# KiCad board AmigaPCI Mainboard.kicad_pcb (continued)
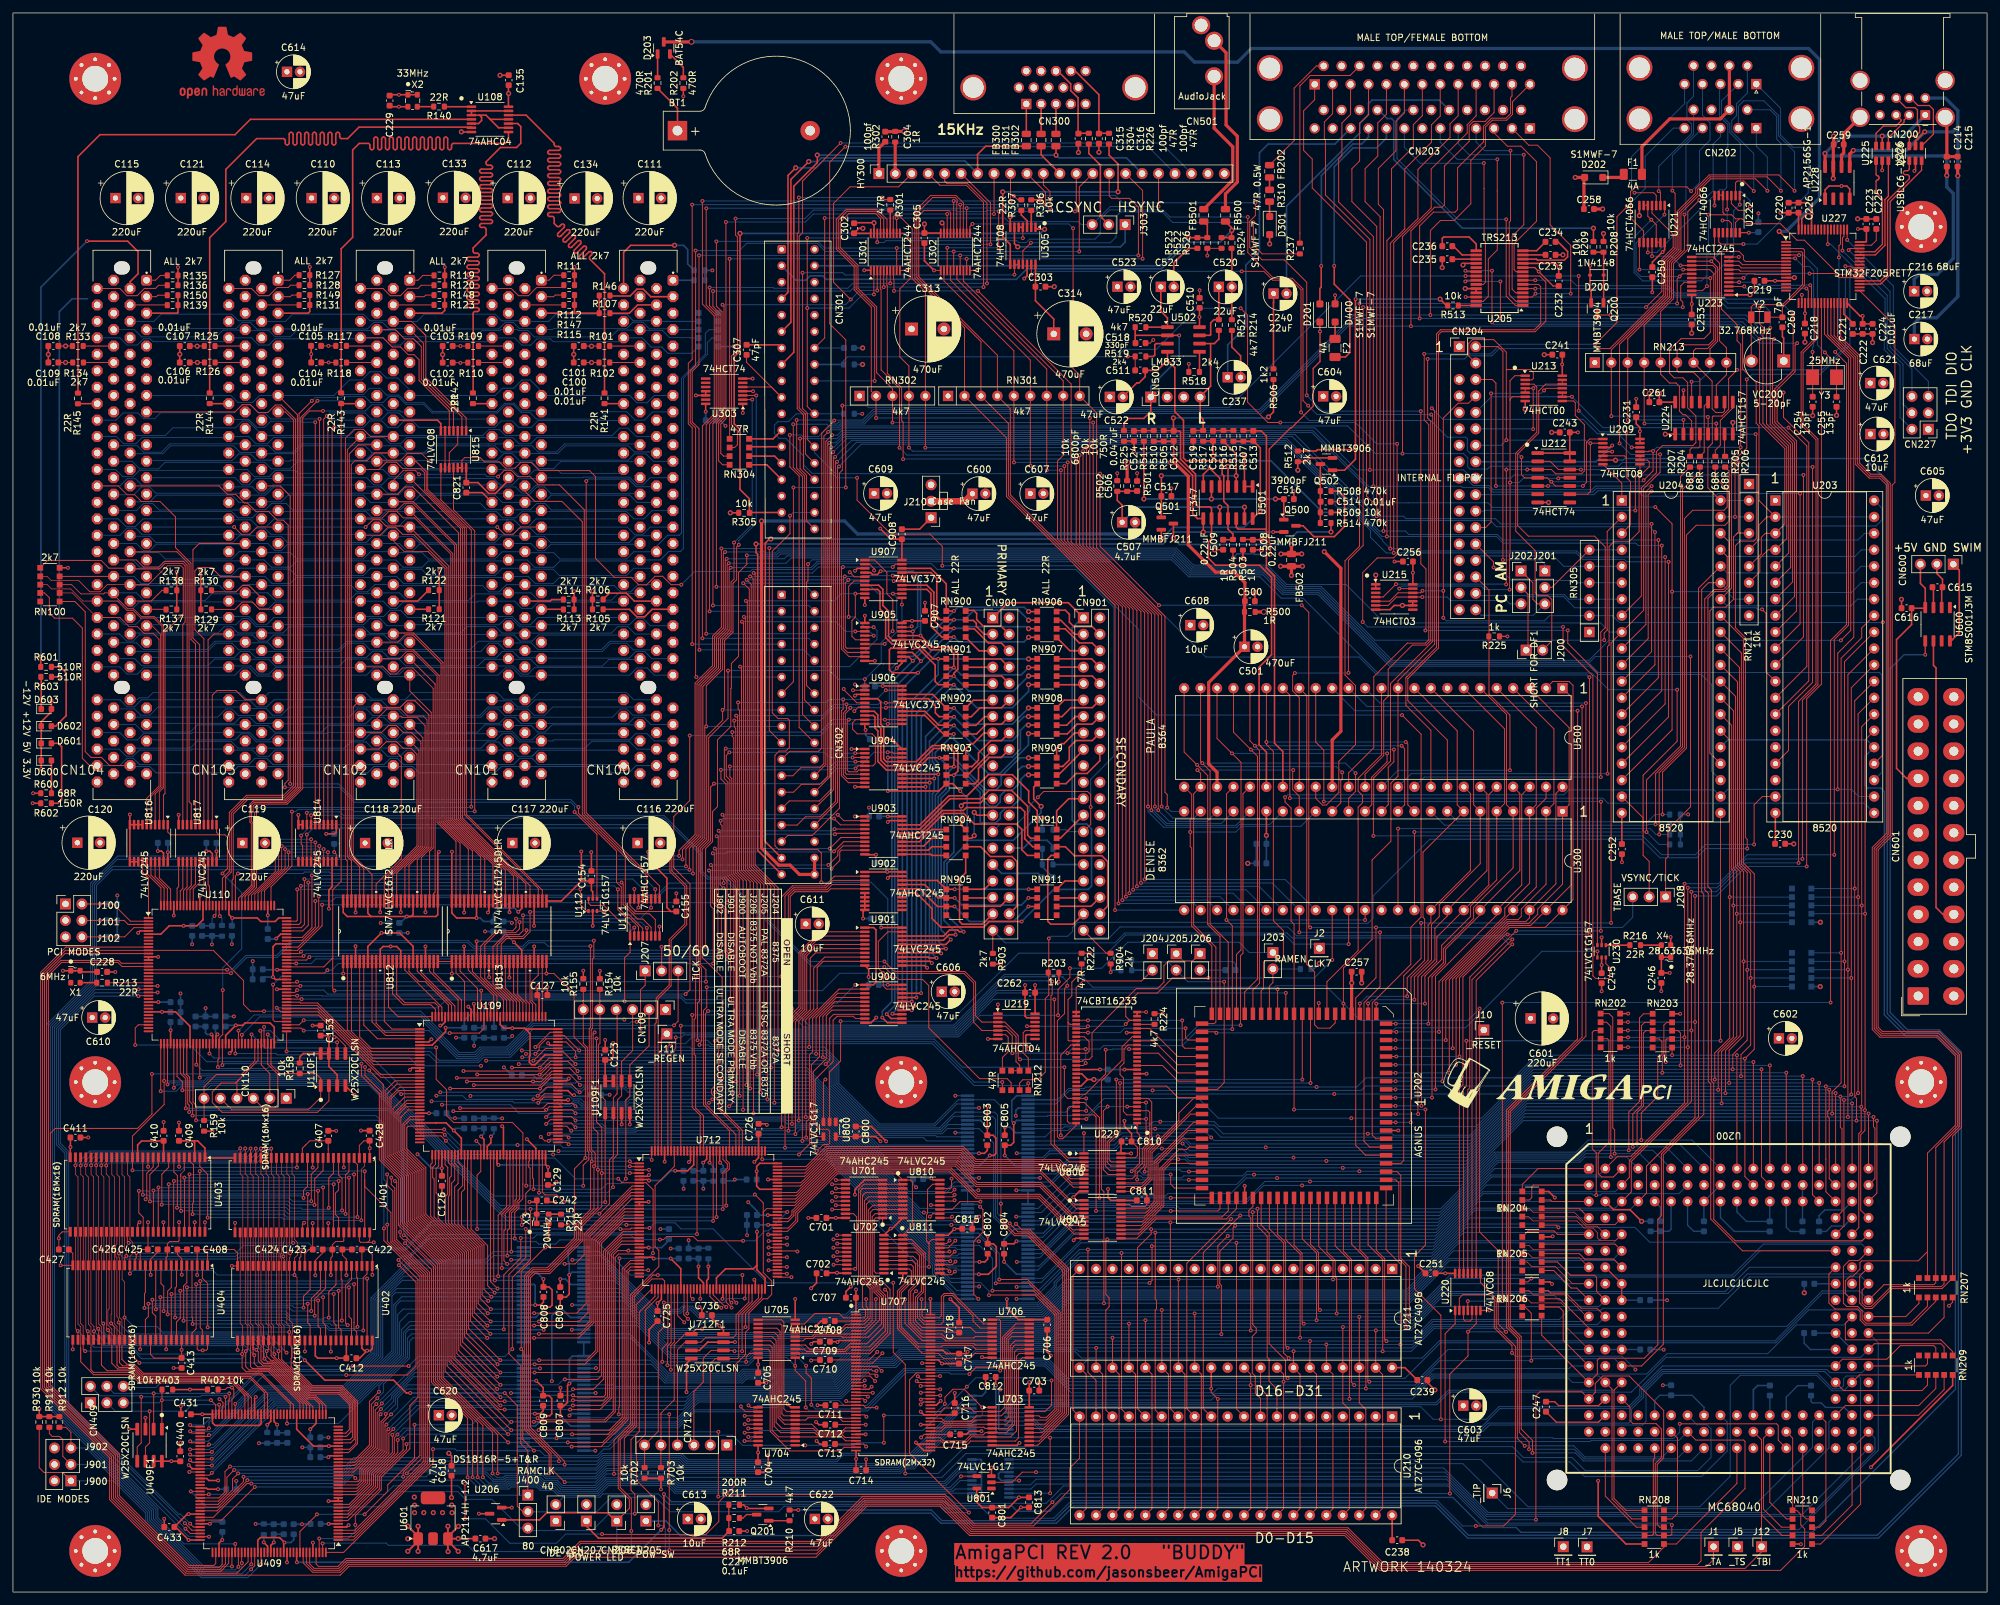
[diagram p0: board, top side]
## Routing (per net, layer and track width the routed paths; a pad name or vN(x,y) marks a point on that pad's centre or on a via; arc(x,y) is an arc through that point) (continued)
D31: length 235.7
  Top w0.15: 286.5,57.77 285.3,58.98 285.3,70.63 285.94,71.27 v2(285.94,74.41) 285.97,74.44 v2(285.97,104.75) 285.97,131.6 U203.26
  In3.Cu w0.15: v2(207.88,64.98) 207.87,64.97 U211.3
  Bottom w0.15: v2(285.94,74.41) 233.54,74.41 224.1,64.98 v2(207.88,64.98) 190.57,64.98 189.86,64.27 180.78,64.27 180.46,63.95 174.47,63.95 174.15,64.27 163.33,64.27 158.3,59.24 U802.26 ; v2(285.97,104.75) 285.97,104.75 RN201.4
DA0: length 67.5
  Top w0.15: v2(104.88,89.11) 104.88,89.1 104.88,74.85 106.12,73.6 U712.129 ; U902.3 126.61,109.89 125.47,108.74 120.49,108.74 119.2,107.45 119.2,89.45 119.12,89.37 v2(119.12,89.12)
  Bottom w0.15: v2(104.88,89.11) 104.89,89.12 v2(119.12,89.12)
DA1: length 67.4
  Top w0.15: U902.2 126.84,110.54 125.34,109.04 120.37,109.04 118.65,107.33 v2(118.65,95.06) ; U712.128 106.62,73.53 105.41,74.74 105.41,82.81 105.18,83.04 105.18,88.43 105.41,88.66 105.41,95.05 v2(105.41,95.06)
  Bottom w0.15: v2(118.65,95.06) v2(105.41,95.06)
DA2: length 66.4
  Top w0.15: U902.4 126.47,109.24 125.67,108.44 120.62,108.44 119.72,107.54 119.72,93.41 v2(119.72,93.4) ; v2(107.12,93.4) 107.12,90.3 106.62,89.8 106.62,75.22 110.62,71.23 U712.120
  Bottom w0.15: v2(119.72,93.4) v2(107.12,93.4)
DBDIR: length 82.6
  Top w0.15: v2(122.4,28.51) 122.4,32.59 120.78,34.21 v2(120.78,34.93) 120.77,34.93 U705.1 ; U706.1 152.31,42.05 152.48,41.88 152.48,35.25 151.93,34.71 148.71,34.71 v2(147.67,33.67) ; v2(101.05,35.02) 101.05,37.98 101.62,38.55 U712.43
  Bottom w0.15: v2(120.78,34.93) 119.48,36.22 114.76,36.22 113.56,35.02 v2(101.05,35.02) ; v2(122.4,28.51) 122.94,27.96 131.95,27.96 137.86,33.88 144.6,33.88 144.81,33.67 v2(147.67,33.67)
DIR: length 81.9
  Top w0.15: v2(276.45,172.5) 276.45,172.49 276.45,147.49 U203.11
  Bottom w0.15: v2(276.45,172.5) 231.77,172.5 231.27,172 CN204.18
DKWE: length 107
  Top w0.15: v2(245.16,125.85) 245.16,148.23 245.85,148.92 245.85,161.39 244.19,163.05 233.98,163.05 232.32,164.7 232.32,175.73 235.58,178.98 235.58,185.47 236.63,186.52 239.21,186.52 U213.13
  Bottom w0.15: v2(245.16,125.85) 217.9,125.85 U500.39
DMAL: length 54.3
  Top w0.15: U500.12 211.31,129.27 207.69,125.66 207.69,123.67 208.38,122.99 208.38,121.89 207.69,121.2 207.69,99.06 202.88,94.24 U202.18
DRA0-G: length 31.8
  Top w0.15: U806.13 174.45,63.18 175.27,63.99 175.27,68.09 180.02,72.84 180.02,73.97 182.4,76.35 U202.42 179.9,76.35 178.12,78.13 U229.10
DRA1-0: length 20
  Top w0.15: 171.18,62.62 174.32,62.62 175.57,63.87 175.57,67.97 182.68,75.08 U202.43
DRA2-1: length 19.9
  Top w0.15: U202.44 181.84,73.81 175.87,67.84 175.87,63.74 174.45,62.32 173.14,62.32 172.7,61.88 U806.11
DRA3-2: length 21.7
  Top w0.15: U202.45 182.29,72.54 176.19,66.44 176.19,60.26 175.12,59.19 U807.18
DRA4-3: length 21.4
  Top w0.15: U202.46 181.44,71.27 176.49,66.32 176.49,60.14 174.89,58.53 U807.17
DRA5-4: length 21.1
  Top w0.15: U202.47 180.6,70 176.79,66.2 176.79,60.02 174.66,57.88 U807.16
DRA6-5: length 20.5
  Top w0.15: U202.48 181.61,68.73 181.2,68.32 179.99,68.32 177.09,65.42 177.09,59.89 174.44,57.24 U807.15
DRA7-6: length 20.2
  Top w0.15: U807.14 174.21,56.58 177.39,59.77 177.39,65.29 179.56,67.46 U202.49
DRA8-7: length 20
  Top w0.15: U202.50 178.71,66.19 177.69,65.17 177.69,59.64 173.99,55.94 U807.13
DRA9-8: length 29.9
  Top w0.15: U229.37 163.35,84.48 161.79,82.92 v2(161.79,70.52) ; U806.16 169.34,65.12 168.65,65.81 168.65,70.05 v2(168.88,70.28)
  Bottom w0.15: v2(161.79,70.52) 162.03,70.28 v2(168.88,70.28)
DRD0: length 146.1
  Top w0.15: U500.10 222.99,132.98 222.99,121.57 U300.7 217.71,114.25 217.71,104.19 217.96,103.94 217.96,97.54 215.27,94.85 v2(215.27,91.99) ; U810.18 144.69,62.32 144.92,62.55 v2(144.92,63.83) ; U202.14 v2(207.96,90.88)
  In3.Cu w0.15: v2(144.92,63.83) 144.92,67.98 162.74,85.8 206.81,85.8 207.96,86.96 v2(207.96,90.88)
  Bottom w0.15: v2(207.96,90.88) 209.07,91.99 v2(215.27,91.99)
DRD1: length 148.7
  Top w0.15: U810.17 144.9,61.68 v2(145.38,62.15) ; v2(216.38,91.46) 216.38,94.98 219.02,97.62 219.02,103.09 220.22,104.29 220.22,106.15 226.55,112.48 U300.6 225.53,121.57 225.53,132.98 U500.9 ; U202.13 v2(209.23,90.88)
  In3.Cu w0.15: v2(209.23,90.88) 209.23,86.43 208.31,85.5 162.87,85.5 145.44,68.08 145.44,62.21 v2(145.38,62.15)
  Bottom w0.15: v2(209.23,90.88) 209.81,91.46 v2(216.38,91.46)
DRD2: length 150.8
  Top w0.15: v2(218.01,90.86) 218.01,95.12 220.6,97.7 220.6,99.87 225.04,104.3 225.04,105.91 229.09,109.96 U300.5 230.31,121.76 230.31,133.28 U500.7 ; U810.16 145.07,61.02 v2(145.39,61.34) ; U202.12 210.5,90.85 v2(210.51,90.86)
  In3.Cu w0.15: v2(145.39,61.34) 147.72,63.67 147.72,68.18 157.29,77.75 157.29,78.43 164.07,85.2 209.1,85.2 210.51,86.62 v2(210.51,90.86)
  Bottom w0.15: v2(210.51,90.86) v2(218.01,90.86)
DRD3: length 151.6
  Top w0.15: v2(213.51,87.76) 213.49,87.78 U202.11 ; U500.6 230.61,135.52 230.61,121.57 U300.4 231.63,111.83 225.52,105.73 225.52,104.02 220.9,99.39 220.9,97.21 218.54,94.85 v2(218.54,87.76) ; U810.15 145.25,60.38 v2(145.38,60.51)
  In3.Cu w0.15: v2(145.38,60.51) 148.02,63.15 148.02,67.54 165.39,84.91 172.99,84.91 174.5,83.39 209.42,83.39 213.51,87.48 v2(213.51,87.76)
  Bottom w0.15: v2(218.54,87.76) v2(213.51,87.76)
DRD4: length 156.6
  Top w0.15: U202.10 213.58,86.51 v2(213.59,86.5) ; U810.14 141.78,59.72 v2(141.74,59.76) ; U500.5 235.19,133.47 235.19,121.57 U300.3 234.17,109.44 230.34,105.61 230.34,104.41 220.18,94.25 v2(220.18,86.5)
  In3.Cu w0.15: v2(213.59,86.5) 210.18,83.09 164.87,83.09 164.14,82.36 164.14,80.72 151.51,68.09 151.51,67.11 148.32,63.92 148.32,62.71 145.38,59.76 v2(141.74,59.76)
  Bottom w0.15: v2(213.59,86.5) v2(220.18,86.5)
DRD5: length 159.3
  Top w0.15: U810.13 145,59.07 146.21,60.29 v2(149.38,60.29) ; U500.4 237.93,133.28 237.93,121.76 U300.2 236.71,109.29 232.89,105.47 232.89,104.33 232.39,103.83 230.61,103.83 221.23,94.45 v2(221.23,85.23) ; v2(213.48,85.23) 212.02,85.23
  In3.Cu w0.15: v2(149.38,60.29) 149.74,60.64 149.74,64.39 151.81,66.46 151.81,67.96 164.44,80.6 164.44,82.24 164.99,82.79 211.04,82.79 v2(213.48,85.23)
  Bottom w0.15: v2(213.48,85.23) v2(221.23,85.23)
DRD6: length 166.9
  Top w0.15: U500.3 240.27,133.47 240.27,121.57 U300.1 239.25,109.29 235.42,105.46 235.42,104.65 234,103.23 230.86,103.23 222.29,94.67 v2(222.29,83.97) ; v2(213.48,83.97) U202.8 ; U810.12 142.02,58.43 v2(141.57,57.97)
  In3.Cu w0.15: v2(141.57,57.97) 142.08,58.49 148.32,58.49 148.69,58.86 149.63,58.86 150.04,59.26 150.04,64.27 152.11,66.34 152.11,67.84 164.74,80.48 164.74,82.12 165.09,82.46 211.97,82.46 v2(213.48,83.97)
  Bottom w0.15: v2(222.29,83.97) v2(213.48,83.97)
DRD7: length 168.5
  Top w0.15: v2(145,57.96) 144.81,57.77 U810.11 ; v2(223.34,82.7) 223.34,94.87 231.11,102.63 236.57,102.63 U300.48 240.88,106.93 240.88,140 240.27,140.6 237.74,140.6 U500.2 ; U202.7 v2(213.59,82.7)
  In3.Cu w0.15: v2(213.59,82.7) 213.05,82.16 166.85,82.16 152.41,67.71 152.41,66.21 150.33,64.14 150.33,59.13 149.75,58.55 148.81,58.55 148.22,57.96 v2(145,57.96)
  Bottom w0.15: v2(223.34,82.7) v2(213.59,82.7)
DRD8: length 164.6
  Top w0.15: U811.18 144.13,53.8 v2(144.61,54.27) ; U500.1 240.57,138.25 240.57,109.17 U300.47 234.33,102.93 230.98,102.93 222.82,94.77 v2(222.82,81.42) ; v2(213.49,81.42) 212.02,81.42
  In3.Cu w0.15: v2(144.61,54.27) 147.74,57.39 149.43,57.39 150.67,58.64 150.67,64.06 154.11,67.49 154.11,68.19 167.78,81.86 213.05,81.86 v2(213.49,81.42)
  Bottom w0.15: v2(222.82,81.42) v2(213.49,81.42)
DRD9: length 149.1
  Top w0.15: U500.48 238.23,123.31 238.23,109.36 U300.46 234.17,104.12 233.58,103.53 230.73,103.53 221.77,94.57 v2(221.77,80.17) ; v2(213.48,80.17) 212.02,80.17 ; 143.12,53.14 144.39,53.14 v2(145.51,54.26)
  In3.Cu w0.15: v2(145.51,54.26) 148.35,57.09 149.55,57.09 150.97,58.52 150.97,63.93 154.4,67.37 154.4,68.06 167.9,81.56 212.09,81.56 v2(213.48,80.17)
  Bottom w0.15: v2(221.77,80.17) v2(213.48,80.17)
DRD10: length 147.9
  Top w0.15: v2(144.6,52.59) 144.5,52.5 U811.16 ; 231.63,105.28 220.7,94.35 220.7,78.88 v2(220.71,78.88) ; v2(213.48,78.88) 212.02,78.88 ; U500.47 236.71,122.57 235.19,121.05 235.19,108.87 U300.45
  In3.Cu w0.15: v2(213.48,78.88) 211.14,81.21 174.54,81.21 174.5,81.26 169.41,81.26 167.97,79.81 166.62,79.81 156.14,69.34 156.14,68.11 153.86,65.82 153.29,65.82 151.27,63.81 151.27,58.39 149.68,56.8 148.81,56.8 v2(144.6,52.59)
  Bottom w0.15: v2(220.71,78.88) v2(213.48,78.88)
DRD11: length 146.9
  Top w0.15: v2(213.47,77.62) U202.3 ; v2(145.4,52.57) 144.68,51.84 143.12,51.84 ; v2(219.64,77.62) 219.64,95.09 229.09,104.54 U300.44 232.95,109.17 232.95,123.12 U500.46
  In3.Cu w0.15: v2(213.47,77.62) 210.18,80.91 174.67,80.91 173.72,79.96 168.68,79.96 151.57,62.86 151.57,58.27 149.8,56.5 149.12,56.5 145.4,52.77 v2(145.4,52.57)
  Bottom w0.15: v2(219.64,77.62) v2(213.47,77.62)
DRD12: length 147.8
  Top w0.15: U500.45 232.65,123.31 232.65,111.41 U300.43 226.55,104.56 226.49,104.56 221.2,99.27 221.2,97.09 219.1,94.99 v2(219.1,76.35) ; v2(144.72,51.09) 144.62,51.19 U811.14 ; v2(213.47,76.34) 212.02,76.34
  In3.Cu w0.15: v2(144.72,51.09) 144.83,51.09 146.05,52.31 146.05,53 149.24,56.19 149.93,56.19 151.87,58.14 151.87,61.4 170.14,79.66 173.84,79.66 174.79,80.61 209.19,80.61 v2(213.47,76.34)
  Bottom w0.15: v2(213.47,76.34) 213.48,76.35 v2(219.1,76.35)
DRD13: length 145.3
  Top w0.15: U500.44 227.88,123.12 227.88,109.17 U300.42 219.85,101.14 219.85,97.38 217.47,95 v2(217.47,75.08) ; U811.13 145.04,50.55 v2(145.53,51.04) ; v2(213.46,75.08) U202.1
  In3.Cu w0.15: v2(145.53,51.04) 145.53,51.38 158.01,63.86 158.01,65.95 165.2,73.14 165.2,73.27 165.51,73.57 166.88,73.57 172.65,79.35 198.56,79.35 198.86,79.66 208.88,79.66 v2(213.46,75.08)
  Bottom w0.15: v2(217.47,75.08) v2(213.46,75.08)
DRD14: length 149.4
  Top w0.15: v2(216.96,73.81) 216.93,73.84 216.93,95.02 219.55,97.64 219.55,102.47 219.54,102.48 221.47,104.41 U300.41 227.57,111.41 227.57,123.31 U500.43 ; v2(144.61,49.52) 144.24,49.89 U811.12 ; v2(213.5,73.81) U202.84
  In3.Cu w0.15: v2(144.61,49.52) 145.12,50.03 149.71,50.03 151.27,51.59 151.27,56.69 157.06,62.48 157.98,62.48 164.73,69.23 164.73,71.04 165.12,71.43 166.55,71.43 173.4,78.28 199.29,78.28 200.13,79.12 208.19,79.12 v2(213.5,73.81)
  Bottom w0.15: v2(216.96,73.81) v2(213.5,73.81)
DRD15: length 148
  Top w0.15: v2(215.82,72.53) 215.82,90.74 215.85,90.77 215.85,94.93 218.5,97.58 218.5,102.99 218.93,103.42 U300.40 225.04,111.41 225.04,123.31 U500.42 ; v2(213.49,72.53) 212.02,72.53 ; U811.11 143.37,49 144.93,49 v2(145.44,49.51)
  In3.Cu w0.15: v2(213.49,72.53) 207.5,78.51 201.06,78.51 200.53,77.98 174.11,77.98 158.31,62.18 157.18,62.18 151.59,56.58 151.59,51.49 149.83,49.73 145.66,49.73 v2(145.44,49.51)
  Bottom w0.15: v2(215.82,72.53) v2(213.49,72.53)
DRDDIR: length 34.6
  Top w0.15: U811.1 138.88,56.57 138.88,63.32 138.88,63.33 138.58,63.62 U810.1 136.44,64.58 127.27,64.58 121.17,58.48 121.17,57.27 119.6,55.7 U712.87
EMA0: length 89.8
  Top w0.11: 12.46,50.45 12.46,64.09 12.06,64.49 v2(12.06,65.9) 12.06,67.13 ; 37.88,50.55 37.88,64.19 37.49,64.59 37.49,67.23 ; 38.29,37.75 38.29,40.97 37.88,41.38 U402.23
  Top w0.15: v2(37.49,68.49) 37.49,67.05 ; U409.39 47.31,29.05 46.56,29.81 45.48,29.81 40,35.28 38.74,35.28 38.29,35.73 38.29,37.75
  Bottom w0.15: v2(37.49,68.49) 36.2,67.2 13.36,67.2 v2(12.06,65.9)
EMA1: length 106.7
  Top w0.11: 11.63,50.45 11.63,64.09 11.24,64.49 v2(11.24,65.9) 11.24,67.13 ; U404.24 11.65,41.38 12.04,40.98 12.04,37.8 ; 37.09,50.55 37.09,64.19 36.69,64.59 36.69,67.23
  Top w0.15: 12.04,37.8 12.04,34.33 12.45,33.93 18.23,33.93 19.62,32.53 33.98,32.53 36.31,30.2 U409.61 ; v2(36.69,68.5) 36.69,67.05
  Bottom w0.15: v2(36.69,68.5) 35.69,67.5 12.84,67.5 v2(11.24,65.9)
EMA2: length 90.1
  Top w0.11: 36.67,37.75 36.67,40.98 36.28,41.37 U402.25 36.28,64.17 35.86,64.59 35.86,67.23 ; 10.86,50.45 10.86,64.09 10.46,64.49 v2(10.46,65.87) 10.46,67.13
  Top w0.15: v2(35.87,68.51) 35.87,67.05 ; 36.67,37.75 36.67,34.81 36.95,34.53 39.69,34.53 45.31,28.91 U409.43
  Bottom w0.15: v2(10.46,65.87) 12.39,67.8 35.16,67.8 v2(35.87,68.51)
EMA3: length 108.9
  Top w0.11: 35.49,50.55 35.49,64.19 35.09,64.59 35.09,67.23 ; 10.47,36.02 10.46,36.03 10.46,40.97 10.04,41.39 10.04,64.09 9.65,64.49 v2(9.65,65.88) U403.26
  Top w0.15: v2(35.09,68.52) 35.09,67.05 ; U409.62 35.81,30.34 33.87,32.28 19.52,32.28 18.24,33.56 12.46,33.56 10.46,35.56 10.46,37.73
  Bottom w0.15: v2(9.65,65.88) 11.87,68.1 34.67,68.1 v2(35.09,68.52)
EMA4: length 77.6
  Top w0.11: 9.66,55.62 9.66,40.66 v2(10,40.32) ; 35.09,55.62 35.09,41.47 35.47,41.09 35.47,38.95
  Top w0.15: 10.03,40.28 10.03,38.96 ; U402.29 35.48,37.41 35.38,37.32 v2(35.38,36.75) 35.38,34.64 36,34.03 39.48,34.03 44.31,29.2 U409.45
  Bottom w0.15: v2(35.38,36.75) 19.5,36.75 18.45,37.8 12.52,37.8 v2(10,40.32)
EMA5: length 78.6
  Top w0.11: 36.26,38.95 36.26,41.09 35.88,41.47 35.88,55.62 ; 10.84,38.95 10.84,41.09 10.45,41.47 10.45,55.62
  Top w0.15: U402.30 36.28,37.52 v2(35.94,37.18) 35.94,34.82 36.48,34.28 39.58,34.28 44.81,29.05 U409.44 ; v2(11.15,37.2) 10.84,37.5 U404.30
  Bottom w0.15: v2(11.15,37.2) 18.7,37.2 19.86,36.03 35.35,36.03 35.94,36.63 v2(35.94,37.18)
EMA6: length 78.4
  Top w0.11: 37.06,38.95 37.06,41.09 36.68,41.47 36.68,55.62 ; 11.25,55.62 11.25,40.57 v2(11.55,40.27)
  Top w0.15: 37.08,37.45 U402.31 37.08,36.76 v2(37.26,36.58) 37.26,35.29 37.77,34.78 39.79,34.78 45.81,28.76 U409.42 ; v2(11.55,40.27) 11.55,39.05
  Bottom w0.15: v2(37.26,36.58) 35.79,38.05 13.77,38.05 v2(11.55,40.27)
EMA7: length 75.8
  Top w0.11: 37.49,55.62 37.49,41.48 37.87,41.09 37.87,38.95 ; v2(12.51,40.27) 12.51,41 12.03,41.48 12.03,55.62
  Top w0.15: U402.32 37.88,37.71 v2(37.58,37.41) 37.88,37.11 37.88,35.67 38.52,35.03 39.9,35.03 46.31,28.62 U409.41 ; v2(12.51,40.27) 12.51,39.01
  Bottom w0.15: v2(37.58,37.41) 36.64,38.35 14.43,38.35 v2(12.51,40.27)
EMA8: length 78
  Top w0.11: v2(13.16,40.66) 12.85,40.97 12.85,55.62 ; 38.28,55.62 38.28,41.47 38.67,41.09 38.67,38.95
  Top w0.15: U404.33 13.25,40.57 v2(13.16,40.66) ; U409.38 47.81,28.9 46.66,30.06 45.58,30.06 40.1,35.53 39.33,35.53 v2(38.83,36.03) 38.68,36.18 U402.33
  Bottom w0.15: v2(13.16,40.66) 15.17,38.65 37.02,38.65 38.83,36.84 v2(38.83,36.03)
EMA9: length 77.6
  Top w0.11: 39.08,55.62 39.08,41.47 39.46,41.09 39.46,38.95 ; 13.65,55.62 13.65,41.77 v2(13.95,41.47)
  Top w0.15: v2(13.95,41.47) 14.04,41.38 14.04,38.95 ; U409.37 48.31,28.76 46.76,30.31 45.68,30.31 40.21,35.78 39.82,35.78 39.17,36.43 v2(39.17,37.21) 39.48,37.52 U402.34
  Bottom w0.15: v2(39.17,37.21) 37.43,38.95 15.22,38.95 13.95,40.22 v2(13.95,41.47)
EMA10: length 105
  Top w0.11: U404.22 13.25,41.38 13.66,40.96 13.66,37.79 ; 13.24,50.45 13.24,64.09 12.84,64.49 v2(12.84,65.89) 12.84,67.13 ; 38.69,50.53 38.69,64.17 38.29,64.57 38.29,67.21
  Top w0.15: v2(38.29,68.48) 38.29,67.05 ; 13.66,37.79 13.66,35.05 14.53,34.18 18.33,34.18 19.73,32.78 34.08,32.78 36.81,30.05 U409.60
  Bottom w0.15: v2(38.29,68.48) 36.71,66.9 13.85,66.9 v2(12.84,65.89)
EMA11: length 84.9
  Top w0.11: v2(14.69,40.44) 14.45,40.68 14.45,55.62 ; 40.26,38.95 40.26,41.09 39.88,41.47 39.88,55.62
  Top w0.15: U404.35 14.84,40.28 v2(14.69,40.44) ; U409.33 51.48,24.04 52.19,24.75 52.19,29.05 50.42,30.82 45.87,30.82 40.37,36.32 v2(40.37,36.71) 40.28,36.8 U402.35
  Bottom w0.15: v2(40.37,36.71) 37.83,39.25 15.88,39.25 v2(14.69,40.44)
EMA12: length 86.1
  Top w0.11: 40.69,55.62 40.69,41.47 41.07,41.09 41.07,38.95 ; 15.25,55.62 15.25,42.98 15.15,42.88 v2(15.15,41.48)
  Top w0.15: U409.32 52.06,23.54 52.44,23.92 52.44,29.16 50.49,31.11 45.94,31.11 41.01,36.04 v2(41.01,37.2) 41.08,37.27 U402.36 ; U404.36 15.65,40.99 v2(15.15,41.48)
  Bottom w0.15: v2(41.01,37.2) 38.66,39.55 17.08,39.55 v2(15.15,41.48)
EMCLKE: length 98
  Top w0.11: 41.48,55.62 41.48,52.33 41.49,52.32 41.29,52.12 41.29,51.64 41.48,51.45 41.48,41.47 41.86,41.09 41.86,38.95 ; 16.05,55.62 16.05,53.74 15.87,53.56 15.87,51.84 16.05,51.66 16.05,42.51 16.32,42.24 v2(16.32,41.63) 16.44,41.51 16.44,38.95 ; U402.37 41.88,37.33 v2(42.24,36.97)
  Top w0.15: 16.44,38.95 16.44,35.41 16.93,34.93 18.64,34.93 20.04,33.53 38.32,33.53 42.81,29.04 U409.48
  Bottom w0.11: v2(42.24,36.97) 42.22,36.97
  Bottom w0.15: v2(16.32,41.63) 16.32,41.56 18.03,39.85 39.34,39.85 42.22,36.97
FLTLEFT: length 78.5
  Top w0.25: FB500.1 188.15,210.7 188.15,210.28 v1(188.18,210.25) 188.15,210.22 188.15,209.14 186.61,209.14
  Bottom w0.25: CN301.3 120.93,202.56 122.41,202.56 123.09,203.24 125.04,203.24 125.58,202.7 154.93,202.7 156.57,204.34 177.34,204.34 181.42,208.42 186.36,208.42 v1(188.18,210.25)
FLTRIGHT: length 65.2
  Top w0.25: FB501.1 184.41,211.09 184.41,209.14 181.51,209.14 v1(181.51,209.15)
  Bottom w0.25: CN301.4 177.16,204.8 v1(181.51,209.15)
IDEDIR: length 102.7
  Top w0.15: 42.28,91.56 v2(44.56,91.56) ; v2(130.06,93.76) U900.1
  Top w0.25: U901.1 132.9,102.6 133.26,102.24 133.26,94.18 132.84,93.76 U900.1
  Bottom w0.15: v2(44.56,91.56) 66.35,91.56 66.53,91.74 103.15,91.74 103.93,90.95 127.25,90.95 v2(130.06,93.76)
IDSEL0: length 80.6
  Top w0.15: U111.9 99.84,109.03 88.51,120.36 88.51,171.54 v2(88.52,171.55)
  Bottom w0.15: v2(88.52,171.55) 88.84,171.87 95.06,171.87 96.25,170.68 99.24,170.68
IDSEL1: length 81.6
  Top w0.15: CN101.A26 79.04,169.96 80.59,168.42 84.76,168.42 87.91,165.27 87.91,120.11 94.55,113.47 94.55,106.24 96.05,104.74 98.27,104.74 99.19,103.82 U111.7
IDSEL2: length 98.4
  Top w0.13: v2(74.9,172.25) 75.83,173.18 76.98,173.18 77.93,172.23 79.87,172.23 81.13,170.97 83.4,170.97 ; CN102.A26 58.72,171.64 60.26,173.18 62.12,173.18 v2(62.7,172.6)
  Top w0.15: 83.4,170.97 84.37,170.97 88.21,167.13 88.21,120.24 97.88,110.56 U111.12
  Bottom w0.13: v2(62.7,172.6) 72.84,172.6 73.2,172.24 74.89,172.24 v2(74.9,172.25)
IDSEL3: length 119.8
  Top w0.15: v2(42.8,124.79) 42.8,169.26 41.25,170.8 CN103.A26 ; v2(87.3,121.21) 87.3,120.3 93.19,114.4 93.19,109.6 93.92,108.87 93.92,105.28 94.49,104.7 95.02,104.7 97.24,102.49 U111.4
  Bottom w0.15: v2(42.8,124.79) 50.3,124.79 52.72,122.37 86.14,122.37 v2(87.3,121.21)
IDSEL4: length 129.3
  Top w0.15: v2(86.72,120.45) 90.17,117 U112.4 ; CN104.A26 31.82,170.8 33.12,169.5 34.39,169.5 35.72,168.17 36.2,168.17 37.53,166.84 39.49,166.84 40.81,165.52 41.73,165.52 42.5,164.75 42.5,125.36 41.98,124.84 v2(41.98,124.27)
  Bottom w0.15: v2(86.72,120.45) 86.72,121.37 86.12,121.97 52.7,121.97 50.4,124.26 41.99,124.26 v2(41.98,124.27)
IORDY: length 98.8
  Top w0.15: v2(43.07,120.51) 43.07,112.13 39.84,108.9 U110.110 ; v2(71.29,120.56) 71.29,120.56 71.29,163.87 68.02,167.14 U815.11
  Bottom w0.15: v2(71.29,120.56) 71.24,120.51 52.7,120.51 52.35,120.85 44,120.85 43.66,120.51 v2(43.07,120.51)
KBData: length 57.6
  Top w0.15: v2(267.7,187.26) 267.7,176.66 265.88,174.84 v2(265.88,166.02) ; U227.39 283.75,203.97 v2(283.62,204.1)
  Bottom w0.15: U204.39 RN211.3 ; v2(283.62,204.1) 283.62,192.6 279.06,188.04 268.48,188.04 v2(267.7,187.26)
LVA0: length 151
  Top w0.15: U110.62 v2(35.34,86.05) ; v2(86.26,22.46) 90.81,22.46 94.97,26.62 94.97,49.37 95.3,49.7 U712.34 v2(98.09,49.7)
  In2.Cu w0.15: v2(98.09,49.7) 98.09,50.56 96.84,51.81 96.84,84.98 96.3,85.52 v2(96.3,88.04)
  Bottom w0.15: v2(35.34,86.05) 38.1,88.81 62.98,88.81 68.79,83.01 71.39,83.01 72.24,83.85 76.36,83.85 80.32,87.81 95.22,87.81 95.45,88.04 v2(96.3,88.04) ; U805.2 86.25,22.47 v2(86.26,22.46)
LVA1: length 195.9
  Top w0.15: v2(54.31,12) 57.86,15.56 57.86,16.55 62,20.69 v2(62,25.83) ; U712.28 95.06,52.7 v2(95.03,52.72) 93.37,52.72 92.69,52.05 92.69,27.93 91.35,26.59 81.26,26.59 v2(81,26.86) ; v2(46.94,12) 46.94,11.98 44.31,9.35 U409.136 ; v2(34.82,86.7) 34.81,86.69 34.81,84.7
  In2.Cu w0.15: v2(94.4,88.39) 94.4,87 96.54,84.86 96.54,55.03 95.03,53.52 v2(95.03,52.72)
  Bottom w0.15: v2(81,26.86) 80.94,26.91 U805.9 71.91,26.91 70.84,25.83 v2(62,25.83) ; v2(94.4,88.39) 80.47,88.39 76.24,84.15 72.11,84.15 71.27,83.31 68.91,83.31 63.11,89.11 37.24,89.11 v2(34.82,86.7) ; v2(46.94,12) 54.3,12 v2(54.31,12)
LVA2: length 138.2
  Top w0.15: v2(58.58,24.28) 58.58,21.55 55.37,18.34 55.37,16.59 51.82,13.04 U409.11 ; U109.22 60.48,76.44 58.69,74.65 58.69,67.6 61.65,64.64 61.65,57.5 67.63,51.52 67.63,35.72 75.16,28.19 v2(75.92,28.19) ; v2(86.02,28.18) 90.63,28.18 92.39,29.94 92.39,52.17 93.92,53.7 U712.26
  Bottom w0.15: v2(86.02,28.18) 86.01,28.19 U805.11 v2(75.92,28.19) 74.53,28.19 74.19,28.52 62.82,28.52 v2(58.58,24.28)
LVA3: length 135
  Top w0.15: U712.24 94.07,54.7 91.79,52.42 91.79,30.19 91.21,29.61 v2(86.45,29.61) ; U109.24 60.77,75.44 59.29,73.96 59.29,67.85 62.25,64.89 62.25,57.75 68.23,51.77 68.23,36.21 74.98,29.45 v2(75.93,29.45) ; v2(57.97,25.15) 57.74,24.93 57.74,21.56 54.77,18.59 54.77,16.83 52.98,15.04 U409.15
  Bottom w0.15: v2(57.97,25.15) 62.27,29.45 v2(75.93,29.45) U805.13 86.29,29.45 v2(86.45,29.61)
LVA4: length 129.4
  Top w0.15: U109.28 61.37,73.44 60.19,72.26 60.19,68.22 63.15,65.26 63.15,58.12 69.13,52.14 69.13,38.13 v2(75.27,32) ; U409.18 53.2,16.54 53.87,17.21 53.87,18.96 56.84,21.93 56.84,26.32 57.56,27.04 v2(57.56,27.5) ; v2(85.22,32.84) 90.28,32.84 90.89,33.45 90.89,53.89 94.22,57.22 96.68,57.22
  Bottom w0.15: v2(85.22,32.84) 85.01,32.84 84.16,32 U805.17 v2(75.27,32) 61.01,32 59.08,30.06 59.08,29.03 v2(57.56,27.5)
LVA5: length 112.5
  Top w0.15: v2(56.11,29.02) 55.64,28.56 55.64,22.44 52.74,19.54 U409.24 ; v2(81.24,35.81) 88.49,35.81 89.99,37.31 89.99,54.27 94.42,58.7 U712.16 ; U109.38 65.23,66.02 64.8,65.59 64.8,64.01 65.03,63.78 65.03,57.94 69.51,53.46 69.52,53.46 70.33,52.64 70.33,40.74 v2(75.26,35.81)
  Bottom w0.15: v2(81.24,35.81) 81.24,35.81 U805.23 v2(75.26,35.81) 62.89,35.81 v2(56.11,29.02)
LVA6: length 107.9
  Top w0.15: v2(56.26,29.92) 55.34,29 55.34,22.57 52.81,20.04 U409.25 ; v2(73.23,39.24) 70.63,41.84 70.63,52.77 68.33,55.07 68.32,55.07 65.65,57.75 65.65,61.34 65.33,61.65 65.33,65.37 65.73,65.77 U109.39 ; U712.15 94.5,59.2 89.69,54.39 89.69,41.59 87.34,39.24 v2(80.46,39.24)
  Bottom w0.15: v2(80.46,39.24) U804.2 v2(73.23,39.24) 61.75,39.24 61.21,38.7 61.21,36.1 57.19,32.08 57.19,30.85 v2(56.26,29.92)
LVA7: length 127
  Top w0.15: v2(27.23,18.54) U409.87 ; U109.43 67.73,66.22 68.21,65.75 68.21,63.62 67.73,63.14 67.73,56.94 71.53,53.14 71.53,44.01 v2(73.76,41.78) ; v2(81.22,41.78) 87.4,41.78 88.79,43.17 88.79,55.04 95.45,61.7 U712.10
  Bottom w0.15: v2(27.23,18.54) 27.71,19.02 30.93,19.02 38.03,26.12 38.03,26.33 40.46,28.76 52.15,28.76 60,36.62 60,40.53 61.25,41.78 v2(73.76,41.78) U804.6 v2(81.22,41.78)
LVA8: length 111.4
  Top w0.15: v2(27.36,24.82) 27.64,24.54 U409.75 ; 77.22,67.52 77.22,59.65 76.02,58.45 76.02,55.99 75.81,55.77 75.81,51.18 v2(76.31,50.67) ; U712.8 95.6,62.7 88.19,55.29 88.19,52.07 86.79,50.67 v2(85.19,50.67)
  Bottom w0.15: v2(27.36,24.82) 27.41,24.76 30.78,24.76 34.87,28.86 34.87,29.17 37.53,31.83 50.97,31.83 55.89,36.75 55.89,45.19 61.37,50.67 v2(76.31,50.67) U804.20 v2(85.19,50.67)
LVA9: length 124.7
  Top w0.15: v2(73.26,41.14) 71.23,43.18 71.23,53.01 67.23,57.01 67.23,61.12 67.43,61.32 67.43,63.98 67.68,64.23 67.68,65.85 67.23,66.3 U109.42 ; U712.11 95.38,61.2 89.09,54.91 89.09,41.84 88.4,41.15 v2(80.47,41.15) ; U409.88 30.35,18.04 v2(30.71,18.4)
  Bottom w0.15: v2(80.47,41.15) 80.47,41.14 U804.5 v2(73.26,41.14) 61.34,41.14 60.31,40.12 60.31,36.49 52.27,28.46 40.79,28.46 30.73,18.4 v2(30.71,18.4)
LVA10: length 144.2
  Top w0.15: v2(86.34,24.36) 91.86,24.36 94.37,26.87 94.37,49.81 95.26,50.7 U712.32 ; U109.18 59.25,78.44 57.77,76.96 57.77,67.25 60.75,64.27 60.75,57.12 66.73,51.14 66.73,34.1 v2(76.46,24.38) ; U409.8 51.63,11.54 56.27,16.18 56.27,17.97 60.24,21.93 v2(60.24,23.7)
  Bottom w0.15: v2(86.34,24.36) 86.32,24.38 U805.5 v2(76.46,24.38) 60.91,24.38 v2(60.24,23.7)
LVA11: length 143
  Top w0.15: U109.19 59.69,77.94 58.07,76.32 58.07,67.37 61.05,64.39 61.05,57.25 67.03,51.27 67.03,34.92 v2(76.94,25.01) ; v2(59.4,23.47) 59.4,21.53 55.97,18.09 55.97,16.31 51.7,12.04 U409.9 ; U712.31 95.34,51.2 94.07,49.93 94.07,26.99 92.09,25.01 v2(81.15,25.01)
  Bottom w0.15: v2(81.15,25.01) U805.6 v2(76.94,25.01) 60.8,25.01 59.4,23.61 v2(59.4,23.47)
LVA12: length 145.8
  Top w0.15: v2(60.76,22.84) 60.76,22.04 56.57,17.84 56.57,15.91 51.7,11.04 U409.7 ; U109.17 59,78.94 57.47,77.41 57.47,67.12 60.45,64.14 60.45,57 66.43,51.02 66.43,33.13 v2(76.46,23.1) ; v2(85.67,23.1) 91.03,23.1 94.67,26.74 94.67,49.49 95.38,50.2 U712.33
  Bottom w0.15: v2(85.67,23.1) 81.15,23.1 U805.3 v2(76.46,23.1) 61.03,23.1 v2(60.76,22.84)
LVA13: length 142.1
  Top w0.15: U109.20 59.62,77.44 58.37,76.19 58.37,67.5 61.35,64.52 61.35,57.37 67.33,51.39 67.33,35.59 76.64,26.28 v2(76.95,26.28) ; U409.10 51.78,12.54 55.67,16.43 55.67,18.22 58.88,21.43 58.88,23.84 v2(59.36,24.32) ; U712.29 93.51,52.2 92.99,51.68 92.99,27.81 91.47,26.29 v2(80.43,26.29)
  Bottom w0.15: v2(59.36,24.32) 60.35,25.31 75.98,25.31 v2(76.95,26.28) U805.8 80.42,26.28 v2(80.43,26.29)
LVA14: length 135.8
  Top w0.15: v2(86.46,28.82) 90.85,28.82 92.09,30.06 92.09,52.3 93.99,54.2 U712.25 ; v2(75.27,28.82) 75.19,28.82 67.93,36.08 67.93,51.64 61.95,57.62 61.95,64.76 58.99,67.72 58.99,74.08 60.85,75.94 U109.23 ; v2(58.73,25.18) 58.04,24.48 58.04,21.43 55.07,18.46 55.07,16.71 51.9,13.54 U409.12
  Bottom w0.15: v2(86.46,28.82) U805.12 v2(75.27,28.82) 62.38,28.82 v2(58.73,25.18)
